# KiCad board PCA20073_Tiny_Board_Panel.kicad_pcb (continued)
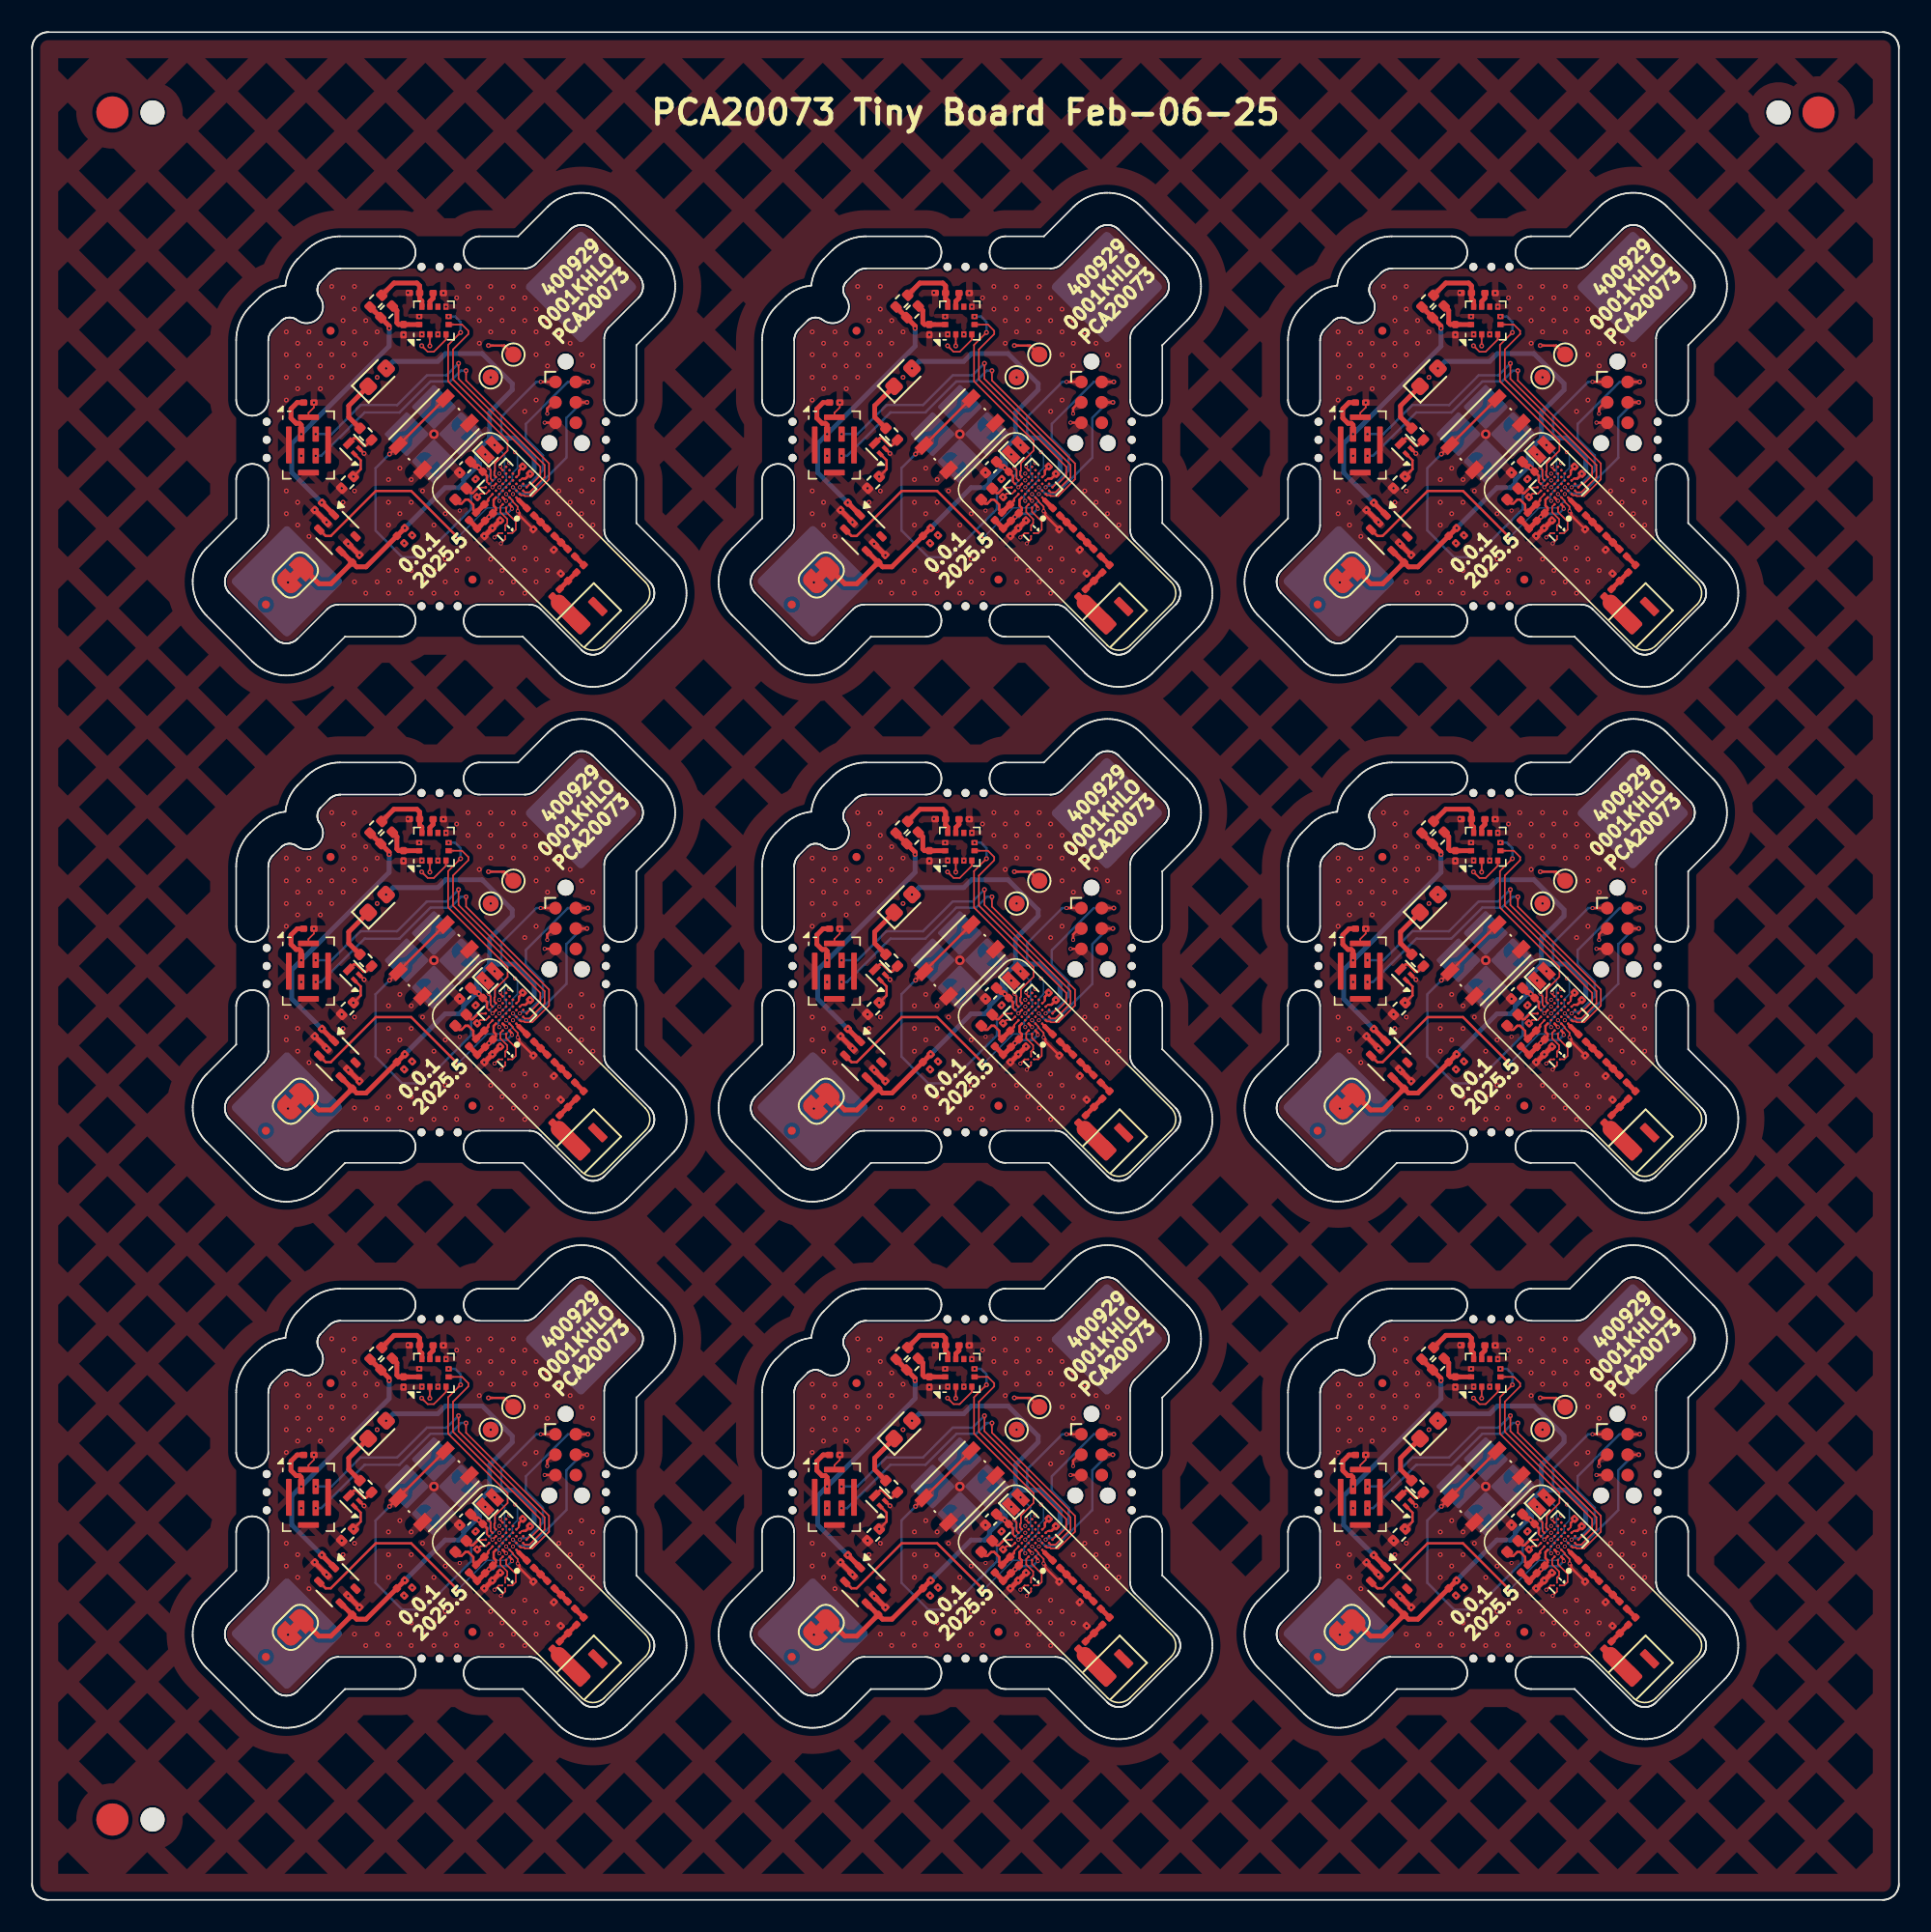
[diagram p0: board, top side]
## Routing (per net, layer and track width the routed paths; a pad name or vN(x,y) marks a point on that pad's centre or on a via; arc(x,y) is an arc through that point) (continued)
Board_8-Net-(AE1-PCB_Trace): length 1.9
  Top w1: 8AE1.2 98.3,15.23
Board_8-Net-(BT1-+):
  vias: v2(81.43,16.5)
Board_8-Net-(C6-Pad1): length 1.2
  Top w0.293: 96.75,20.67 97.57,19.85
Board_8-Net-(C9-Pad1): length 1.2
  Top w0.293: 98.02,19.4 98.84,18.58
Board_8-Net-(D1-K): length 3.4
  Top w0.3: 8R1.1 85.21,26.79 85.21,27.5 8D1.1
Board_8-Net-(J1-SWCLK): length 9.3
  Top w0.15: 8J1.4 v2(100.05,27.71)
  Bottom w0.15: v1(95.44,22.42) 95.44,22.42 95.83,22.03 96.54,22.03 98.77,24.26 98.77,26.74 99.74,27.71 v2(100.05,27.71)
Board_8-Net-(J1-SWDIO): length 10.9
  Top w0.15: 8J1.2 99.36,28.98 v2(100.11,28.98)
  Bottom w0.15: v2(100.11,28.98) 98.86,28.98 96.25,26.36 96.25,25.46 97.31,24.4 97.31,23.48 96.34,22.52 95.98,22.52 95.88,22.42 v1(95.86,22.42)
Board_8-Net-(J1-~{RESET}): length 8.1
  Top w0.15: 95.44,21.98 95.44,21.98 v1(95.44,22) ; 8J1.3 97.94,27.71 97.58,27.34 v1(97.58,27)
  In2.Cu w0.15: v1(97.58,27) 97.21,27 96.95,26.75 96.95,25.83 96.47,25.34 96.47,24.6 97.27,23.8 97.27,23.27 96.08,22.08 95.52,22.08 v1(95.44,22)
Board_8-Net-(JP2-A): length 2.6
  Top w0.3: 8JP2.1 88.21,33.42 88.21,32.66 88.32,32.55 8C16.1 88.63,32.55 8U3.12 89.6,32.55
Board_8-Net-(JP3-A): length 4.1
  Top w0.3: 8JP3.1 88.03,35.13 89.46,35.13 89.63,34.96 8C17.1 89.63,34.15 89.77,34.02 8U3.10
Board_8-Net-(L4-Pad2): length 0.8
  Top w0.293: 99.3,18.12 99.84,17.58
Board_8-Net-(L18-Pad1): length 1.5
  Top w0.293: 99.39,17.13 98.35,16.09
Board_8-Net-(Q1-D): length 1.9
  Top w0.15: 8Q1.3 85.53,25.48 85.67,25.48 86.13,25.02 86.29,25.02 8R1.2
Board_8-Net-(U1-ANT): length 0.9
  Top w0.1: 95.66,21.78 95.65,21.77 95.8,21.62
  Top w0.293: 8L2.1 95.8,21.62 95.8,21.62
Board_8-Net-(U1-DCC): length 1.5
  Top w0.1: 93.74,22.4 93.28,22.4 93.25,22.38
  Top w0.15: 93.25,22.38 92.94,22.07 92.82,22.07 8L1.2
Board_8-Net-(U1-DECA): length 5.3
  Top w0.15: 8U1.A4 94.24,21.64 94.24,21.27 94.37,21.14 94.37,20.99 8C5.1 ; v1(95.38,21.08) 95.38,21.2 95.23,21.34
  Top w0.3: 8FB1.1 93.2,19.88 8C2.1 93.22,19.84 v1(93.95,20.57) 8C5.1
  Bottom w0.15: v1(95.38,21.08) 95.06,20.77 94.4,20.77 94.2,20.57 v1(93.95,20.57)
Board_8-Net-(U1-DECD): length 3.6
  Top w0.1: 93.9,21.65 93.9,21.71 94.17,21.98
  Top w0.15: 93.9,21.65 93.9,21.59 8C1.1 ; 8L1.1 92.1,21.41 92.24,21.41 92.48,21.65 92.65,21.65 92.97,21.34 92.97,21.01 8FB1.2
  Top w0.3: 8FB1.2 8C1.1
Board_8-Net-(U1-P1.00): length 3.1
  Top w0.1: v1(94.59,22.42) 94.6,22.41 94.59,22.4
  Bottom w0.1: v1(94.59,22.42) 95.03,22.86 95.03,23.15 94.92,23.26 94.92,24.42 v1(94.3,25.05)
Board_8-Net-(U1-XC1): length 2.2
  Top w0.1: 8U1.A1 95.02,20.89 95.62,20.29 95.62,19.78 95.4,19.57 95.13,19.57 8Y2.1
Board_8-Net-(U1-XC2): length 1.9
  Top w0.1: 8Y2.4 94.95,20.05 95.09,20.18 95.09,20.44 94.65,20.87 94.65,21.21 8U1.A2
Board_8-Net-(U3-V_{REG_OUT}): length 0.9
  Top w0.3: 8C15.1 90.47,34.19 90.27,33.99 8U3.9
Board_8-unconnected-(U1-P1.03-PadD5): length 0
  Top w0.1: 8U1.D5 94.81,22.62 94.8,22.62
Board_8-VDD: length 45.3
  Top w0.1: 93.95,22.62 93.82,22.75 93.82,22.82 ; 95.86,22.83 96,22.96 96.07,22.96
  Top w0.15: v1(97.17,28.98) 98.08,28.98 8J1.1 ; 93.82,22.82 93.82,23.13 8C11.1 ; 96.54,23.3 96.54,23.28 96.22,22.96 96.07,22.96
  Top w0.3: v2(88.71,19.89) 86.29,17.47 85.71,17.47 8C3.1 ; 8U2.4 84.73,18.44 8C3.1 ; 8C11.1 v2(93.32,23.63) 93.23,23.73 93.09,23.73 8C10.1 ; 8C3.1 84.1,16.42 83.36,16.42 8JP1.2
  Bottom w0.15: 94.72,25.73 94.96,25.49 94.97,25.49 ; 94.72,25.73 94.72,26.8 96.9,28.98 v1(97.17,28.98) ; 94.72,25.73 94.72,25.69 94.52,25.49 ; 94.72,25.73 94.72,25.49
  Bottom w0.3: v2(88.71,19.89) 91.22,22.4 92.08,22.4 92.36,22.68 92.36,22.89 93.11,23.63 ; 96.56,23.3 96.75,23.49 96.75,24.29 95.55,25.49 94.24,25.49 ; 93.98,25.47 94,25.49 94.24,25.49 ; 93.98,25.47 93.17,24.66 93.17,24.08 93.35,23.9 ; 93.98,25.47 93.98,25.87 ; 93.98,25.87 93.98,27.07 95.4,28.49 95.4,28.87 93.52,30.74 91.25,30.74 90.76,30.25 87.97,30.25 v2(87.54,29.82) ; 93.98,25.87 93.98,25.79 94.24,25.54 94.24,25.49 ; 93.35,23.9 93.35,23.67 v2(93.32,23.63) 93.11,23.63 ; 93.35,23.9 93.35,23.78 93.21,23.63 93.11,23.63
  vias: v2(96.5,23.26)

## Copper pours and planes (outline as drawn; the poured copper is in the pictures)
(no net) on Top: 0.51,0.9 0.52,0.86 0.54,0.81 0.56,0.76 0.58,0.72 0.61,0.68 0.65,0.65 0.68,0.61 0.72,0.58 0.76,0.56 0.81,0.54 0.86,0.52 0.9,0.51 0.95,0.5 1.02,0.5 115.23,0.5 115.3,0.5 115.34,0.51 115.39,0.52 115.44,0.54 115.48,0.56 115.52,0.58 115.56,0.61 115.6,0.65 115.63,0.68 115.66,0.72 115.69,0.76 115.71,0.81 115.72,0.86 115.74,0.9 115.74,0.95 115.75,1.02 115.75,115.23 115.74,115.3 115.74,115.34 115.72,115.39 115.71,115.44 115.69,115.48 115.66,115.52 115.63,115.56 115.6,115.6 115.56,115.63 115.52,115.66 115.48,115.69 115.44,115.71 115.39,115.72 115.34,115.74 115.3,115.74 115.23,115.75 1.02,115.75 0.95,115.74 0.9,115.74 0.86,115.72 0.81,115.71 0.76,115.69 0.72,115.66 0.68,115.63 0.65,115.6 0.61,115.56 0.58,115.52 0.56,115.48 0.54,115.44 0.52,115.39 0.51,115.34 0.5,115.3 0.5,115.23 0.5,1.02 0.5,0.95 ; 9 cut-outs
(no net) on Bottom: 0.51,0.9 0.52,0.86 0.54,0.81 0.56,0.76 0.58,0.72 0.61,0.68 0.65,0.65 0.68,0.61 0.72,0.58 0.76,0.56 0.81,0.54 0.86,0.52 0.9,0.51 0.95,0.5 1.02,0.5 115.23,0.5 115.3,0.5 115.34,0.51 115.39,0.52 115.44,0.54 115.48,0.56 115.52,0.58 115.56,0.61 115.6,0.65 115.63,0.68 115.66,0.72 115.69,0.76 115.71,0.81 115.72,0.86 115.74,0.9 115.74,0.95 115.75,1.02 115.75,115.23 115.74,115.3 115.74,115.34 115.72,115.39 115.71,115.44 115.69,115.48 115.66,115.52 115.63,115.56 115.6,115.6 115.56,115.63 115.52,115.66 115.48,115.69 115.44,115.71 115.39,115.72 115.34,115.74 115.3,115.74 115.23,115.75 1.02,115.75 0.95,115.74 0.9,115.74 0.86,115.72 0.81,115.71 0.76,115.69 0.72,115.66 0.68,115.63 0.65,115.6 0.61,115.56 0.58,115.52 0.56,115.48 0.54,115.44 0.52,115.39 0.51,115.34 0.5,115.3 0.5,115.23 0.5,1.02 0.5,0.95 ; 9 cut-outs
Board_0-GND on Top, Bottom, In1.Cu, In2.Cu: 17.99,98.61 18.2,99.14 17.99,99.68 17.98,99.68 17.76,100.21 17.98,100.74 18.49,101.25 18.81,101.46 19.19,101.54 30.68,101.54 31.06,101.62 31.38,101.83 33.51,103.95 34.21,104.25 34.92,103.95 37.75,101.12 38.04,100.42 37.75,99.71 35.92,97.88 35.7,97.56 35.63,97.18 35.63,85.28 35.7,84.89 35.92,84.57 38.46,82.03 38.75,81.33 38.46,80.62 35.63,77.79 34.92,77.5 34.21,77.79 31.68,80.33 31.35,80.54 30.97,80.62 19.07,80.62 18.69,80.54 18.36,80.33 16.54,78.5 15.83,78.2 15.12,78.5 12.29,81.33 12,82.03 12.29,82.74 14.41,84.86 14.63,85.19 14.71,85.57 14.71,97.05 14.78,97.44 15,97.76 15.51,98.27 16.04,98.49 16.57,98.27 16.57,98.26 17.1,98.04 17.63,98.26
Board_1-GND on Top, Bottom, In1.Cu, In2.Cu: 50.73,98.61 50.95,99.14 50.73,99.68 50.73,99.68 50.51,100.21 50.73,100.74 51.23,101.25 51.56,101.46 51.94,101.54 63.43,101.54 63.81,101.62 64.13,101.83 66.25,103.95 66.96,104.25 67.67,103.95 70.5,101.12 70.79,100.42 70.5,99.71 68.67,97.88 68.45,97.56 68.38,97.18 68.38,85.28 68.45,84.89 68.67,84.57 71.2,82.03 71.5,81.33 71.2,80.62 68.38,77.79 67.67,77.5 66.96,77.79 64.43,80.33 64.1,80.54 63.72,80.62 51.82,80.62 51.44,80.54 51.11,80.33 49.28,78.5 48.58,78.2 47.87,78.5 45.04,81.33 44.75,82.03 45.04,82.74 47.16,84.86 47.38,85.19 47.46,85.57 47.46,97.05 47.53,97.44 47.75,97.76 48.25,98.27 48.78,98.49 49.31,98.27 49.32,98.26 49.85,98.04 50.38,98.26
Board_2-GND on Top, Bottom, In1.Cu, In2.Cu: 83.48,98.61 83.7,99.14 83.48,99.68 83.48,99.68 83.26,100.21 83.48,100.74 83.98,101.25 84.31,101.46 84.69,101.54 96.18,101.54 96.56,101.62 96.88,101.83 99,103.95 99.71,104.25 100.42,103.95 103.25,101.12 103.54,100.42 103.25,99.71 101.42,97.88 101.2,97.56 101.12,97.18 101.12,85.28 101.2,84.89 101.42,84.57 103.95,82.03 104.25,81.33 103.95,80.62 101.12,77.79 100.42,77.5 99.71,77.79 97.18,80.33 96.85,80.54 96.47,80.62 84.57,80.62 84.19,80.54 83.86,80.33 82.03,78.5 81.33,78.2 80.62,78.5 77.79,81.33 77.5,82.03 77.79,82.74 79.91,84.86 80.13,85.19 80.2,85.57 80.2,97.05 80.28,97.44 80.5,97.76 81,98.27 81.53,98.49 82.06,98.27 82.07,98.26 82.6,98.04 83.13,98.26
Board_3-GND on Top, Bottom, In1.Cu, In2.Cu: 17.99,65.87 18.2,66.4 17.99,66.93 17.98,66.93 17.76,67.46 17.98,67.99 18.49,68.5 18.81,68.71 19.19,68.79 30.68,68.79 31.06,68.87 31.38,69.08 33.51,71.2 34.21,71.5 34.92,71.2 37.75,68.38 38.04,67.67 37.75,66.96 35.92,65.13 35.7,64.81 35.63,64.43 35.63,52.53 35.7,52.14 35.92,51.82 38.46,49.28 38.75,48.58 38.46,47.87 35.63,45.04 34.92,44.75 34.21,45.04 31.68,47.58 31.35,47.79 30.97,47.87 19.07,47.87 18.69,47.79 18.36,47.58 16.54,45.75 15.83,45.46 15.12,45.75 12.29,48.58 12,49.28 12.29,49.99 14.41,52.11 14.63,52.44 14.71,52.82 14.71,64.31 14.78,64.69 15,65.01 15.51,65.52 16.04,65.74 16.57,65.52 16.57,65.51 17.1,65.29 17.63,65.51
Board_4-GND on Top, Bottom, In1.Cu, In2.Cu: 50.73,65.87 50.95,66.4 50.73,66.93 50.73,66.93 50.51,67.46 50.73,67.99 51.23,68.5 51.56,68.71 51.94,68.79 63.43,68.79 63.81,68.87 64.13,69.08 66.25,71.2 66.96,71.5 67.67,71.2 70.5,68.38 70.79,67.67 70.5,66.96 68.67,65.13 68.45,64.81 68.38,64.43 68.38,52.53 68.45,52.14 68.67,51.82 71.2,49.28 71.5,48.58 71.2,47.87 68.38,45.04 67.67,44.75 66.96,45.04 64.43,47.58 64.1,47.79 63.72,47.87 51.82,47.87 51.44,47.79 51.11,47.58 49.28,45.75 48.58,45.46 47.87,45.75 45.04,48.58 44.75,49.28 45.04,49.99 47.16,52.11 47.38,52.44 47.46,52.82 47.46,64.31 47.53,64.69 47.75,65.01 48.25,65.52 48.78,65.74 49.31,65.52 49.32,65.51 49.85,65.29 50.38,65.51
Board_5-GND on Top, Bottom, In1.Cu, In2.Cu: 83.48,65.87 83.7,66.4 83.48,66.93 83.48,66.93 83.26,67.46 83.48,67.99 83.98,68.5 84.31,68.71 84.69,68.79 96.18,68.79 96.56,68.87 96.88,69.08 99,71.2 99.71,71.5 100.42,71.2 103.25,68.38 103.54,67.67 103.25,66.96 101.42,65.13 101.2,64.81 101.12,64.43 101.12,52.53 101.2,52.14 101.42,51.82 103.95,49.28 104.25,48.58 103.95,47.87 101.12,45.04 100.42,44.75 99.71,45.04 97.18,47.58 96.85,47.79 96.47,47.87 84.57,47.87 84.19,47.79 83.86,47.58 82.03,45.75 81.33,45.46 80.62,45.75 77.79,48.58 77.5,49.28 77.79,49.99 79.91,52.11 80.13,52.44 80.2,52.82 80.2,64.31 80.28,64.69 80.5,65.01 81,65.52 81.53,65.74 82.06,65.52 82.07,65.51 82.6,65.29 83.13,65.51
Board_6-GND on Top, Bottom, In1.Cu, In2.Cu: 17.99,33.12 18.2,33.65 17.99,34.18 17.98,34.18 17.76,34.71 17.98,35.24 18.49,35.75 18.81,35.97 19.19,36.04 30.68,36.04 31.06,36.12 31.38,36.33 33.51,38.46 34.21,38.75 34.92,38.46 37.75,35.63 38.04,34.92 37.75,34.21 35.92,32.38 35.7,32.06 35.63,31.68 35.63,19.78 35.7,19.4 35.92,19.07 38.46,16.54 38.75,15.83 38.46,15.12 35.63,12.29 34.92,12 34.21,12.29 31.68,14.83 31.35,15.05 30.97,15.12 19.07,15.12 18.69,15.05 18.36,14.83 16.54,13 15.83,12.71 15.12,13 12.29,15.83 12,16.54 12.29,17.24 14.41,19.36 14.63,19.69 14.71,20.07 14.71,31.56 14.78,31.94 15,32.26 15.51,32.77 16.04,32.99 16.57,32.77 16.57,32.76 17.1,32.54 17.63,32.76
Board_7-GND on Top, Bottom, In1.Cu, In2.Cu: 50.73,33.12 50.95,33.65 50.73,34.18 50.73,34.18 50.51,34.71 50.73,35.24 51.23,35.75 51.56,35.97 51.94,36.04 63.43,36.04 63.81,36.12 64.13,36.33 66.25,38.46 66.96,38.75 67.67,38.46 70.5,35.63 70.79,34.92 70.5,34.21 68.67,32.38 68.45,32.06 68.38,31.68 68.38,19.78 68.45,19.4 68.67,19.07 71.2,16.54 71.5,15.83 71.2,15.12 68.38,12.29 67.67,12 66.96,12.29 64.43,14.83 64.1,15.05 63.72,15.12 51.82,15.12 51.44,15.05 51.11,14.83 49.28,13 48.58,12.71 47.87,13 45.04,15.83 44.75,16.54 45.04,17.24 47.16,19.36 47.38,19.69 47.46,20.07 47.46,31.56 47.53,31.94 47.75,32.26 48.25,32.77 48.78,32.99 49.31,32.77 49.32,32.76 49.85,32.54 50.38,32.76
Board_8-GND on Top, Bottom, In1.Cu, In2.Cu: 83.48,33.12 83.7,33.65 83.48,34.18 83.48,34.18 83.26,34.71 83.48,35.24 83.98,35.75 84.31,35.97 84.69,36.04 96.18,36.04 96.56,36.12 96.88,36.33 99,38.46 99.71,38.75 100.42,38.46 103.25,35.63 103.54,34.92 103.25,34.21 101.42,32.38 101.2,32.06 101.12,31.68 101.12,19.78 101.2,19.4 101.42,19.07 103.95,16.54 104.25,15.83 103.95,15.12 101.12,12.29 100.42,12 99.71,12.29 97.18,14.83 96.85,15.05 96.47,15.12 84.57,15.12 84.19,15.05 83.86,14.83 82.03,13 81.33,12.71 80.62,13 77.79,15.83 77.5,16.54 77.79,17.24 79.91,19.36 80.13,19.69 80.2,20.07 80.2,31.56 80.28,31.94 80.5,32.26 81,32.77 81.53,32.99 82.06,32.77 82.07,32.76 82.6,32.54 83.13,32.76

Small or netless copper shapes (teardrops, artwork), in the pictures only: 738 on Top, 180 on Bottom, 126 on In2.Cu

## Text on the board
B.Mask: H.L. / A.H. / M.G. / G.C. / B.N. / R.B.
User.Comments: F.Silkscreen | F.Paste | F.Mask | F.Cu | Dielectric | In1.Cu | In2.Cu | B.Cu | B.Mask | B.Paste | B.Silkscreen | Top Silk Screen | Top Solder Paste | Top Solder Mask | copper | prepreg | core | Bottom Solder Mask | Bottom Solder Paste | Bottom Silk Screen | Direct Printing | Epoxy | FR4 | 0 mm | 0.01 mm | 0.03556 mm | 0.2032 mm | 1.0287 mm | White | Blue | FR4 natural | 1 | 3.3 | 4.5 | 0 | 0.02 | ALL VIAS FILLED AND CAPPED, VIA-IN-PAD | Copper Layer Count: | Board overall dimensions: | Min track/spacing: | Copper Finish: | Castellated pads: | Edge card connectors: | 4 | 116.2462 mm x 116.2462 mm | 0.1000 mm / 0.0762 mm | ENIG | No | Board Thickness: | Min hole diameter: | Impedance Control: | Plated Board Edge: | 1.5973 mm | 0.1500 mm | Yes | Layer Name | Type | Material | Thickness (mm) | Color | Epsilon R | Loss Tangent | BOARD CHARACTERISTICS
F.Silkscreen: 0.0.1 / 2025.5 | 400929 / 0001KHLO / PCA20073 | PCA20073 Tiny Board Feb-06-25
